# KiCad board popstar_plateless_with_flex_cuts.kicad_pcb (continued)
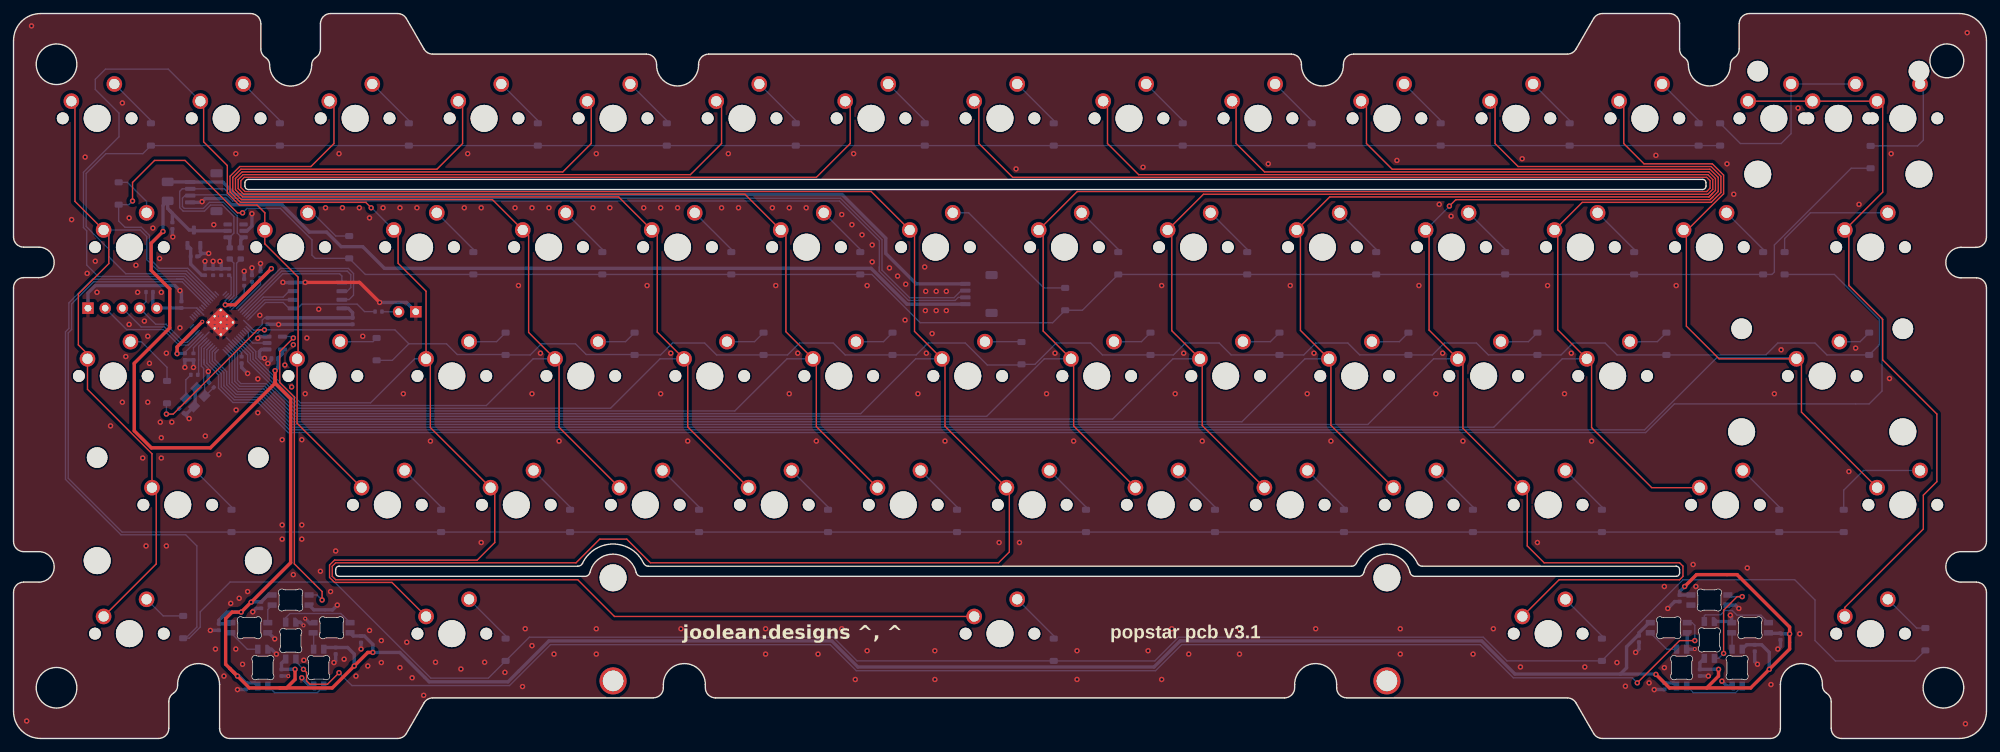
[diagram p0: board, top side]
## Routing (per net, layer and track width the routed paths; a pad name or vN(x,y) marks a point on that pad's centre or on a via; arc(x,y) is an arc through that point)
5V: length 471.4
  Top w0.5: 39.33,7.48 40.33,7.48 41.58,8.73 v1(41.58,10.23) ; 39.33,7.48 47.08,7.48 v1(50.33,10.73) 52.33,12.73 v1(53.08,12.73) ; 39.33,7.48 34.83,7.48 v1(33.08,9.23) ; 31.95,10.35 v1(33.08,9.23) ; 31.95,10.35 v1(33.08,9.23) ; 31.95,10.35 31.33,10.98 31.33,17.73 32.28,18.68 v1(33.62,18.68) v1(35.1,20.15) 40.93,25.99 40.93,50.25 38.63,52.55 38.63,53.48 ; v1(242.58,9.48) 244.58,7.48 250.08,7.48 ; 250.08,7.48 256.58,7.48 v1(259.33,10.23) 262.33,13.23 v1(262.33,15.48) 262.33,16.48 254.58,24.23 248.58,24.23 v1(246.83,22.48) ; 250.08,7.48 251.83,9.23 v1(251.83,10.23) ; v1(38.63,54.39) 38.63,53.48 ; 38.63,53.48 38.63,52.53 29.08,42.98 20.35,42.98 17.83,45.5 17.83,55.48 23.08,60.73 23.08,66.48 20.33,69.23 20.33,73.23 v1(22.08,74.98)
  Bottom w0.5: v1(50.33,10.73) 50.33,12.48 49.35,13.46 C22.1 46.08,13.46 D4.1 ; v1(259.33,10.23) 259.33,12.73 258.2,13.86 C27.1 255.98,13.86 D9.1 ; U5.5 39.71,56.88 C18.1 39.06,54.82 v1(38.63,54.39) ; D11.1 249.08,11.2 C29.1 249.1,10.23 v1(251.83,10.23) ; D6.1 39.58,11.13 C24.1 39.6,10.23 v1(41.58,10.23) ; 237.33,9.53 242.53,9.53 v1(242.58,9.48) 243.83,8.23 C26.1 245.17,8.21 D8.1 ; 237.33,9.53 238.24,10.44 238.24,13.56 239.89,15.21 C25.1 240.08,15.62 241.58,17.13 241.75,17.13 ; 237.33,9.53 221.75,9.53 216.85,14.43 172.3,14.43 168.45,10.57 124.7,10.57 120.85,14.43 79.08,14.43 73.03,8.38 61.4,8.38 57.05,12.73 v1(53.08,12.73) 53.08,13.91 51.83,15.16 C23.1 50.17,15.16 D5.1 ; D1.1 37.6,21.23 C19.1 35.15,20.21 v1(35.1,20.15) ; v1(262.33,15.48) 261.06,15.48 C28.1 259.27,15.56 D10.1 ; U3.5 26.76,75.06 U2.3 25.94,75.18 23.11,78.01 ; 23.11,78.01 23.46,77.67 C15.1 ; 23.11,78.01 22.76,78.37 F1.2 22.08,78.82 v1(22.08,74.98) ; v1(33.08,9.23) 33.31,9.23 C21.1 35.62,8.21 D3.1 ; 247.75,21.23 247.73,21.21 C30.1 246.08,21.73 v1(246.83,22.48) ; v1(33.62,18.68) 31.53,18.68 30.33,17.48 C20.1 31.93,16.96 D2.1
+1V1: length 32.7
  Top w0.5: v1(24.16,56.9) 24.16,57.91 v2(27.88,61.63) ; v1(31.28,64.13) 32.73,64.13 v1(38.08,69.48)
  Bottom w0.2: U6.50 36.48,67.13 C1.1 ; U6.23 25.3,57.08 C3.1 ; C2.1 32.14,68.2 32.14,65.62 U6.45 31.28,64.75 v1(31.28,64.13)
  Bottom w0.5: C1.1 36.71,68.11 v1(38.08,69.48) ; v1(24.16,56.9) 24.2,56.94 C3.1
+3V3: length 54
  Bottom w0.2: 28.86,60.08 U6.22 26.57,57.79 C9.1 ; C5.1 37.09,62.21 36.73,61.86 36.73,61.22 35.87,60.36 35.46,60.36 U6.1 34,61.83 ; 31.95,63.73 U6.48 34.07,65.85 C11.1 ; C12.1 33.69,57.04 U6.10 31.48,59.25 ; C7.1 35.21,66.42 U6.49 32.21,63.42 ; C8.1 27.07,63.66 U6.33 ; U6.33 28.11,62.62 ; U6.33 27.09,63.64
  Bottom w0.5: R1.1 20.58,66 20.58,64.21 J2.5 21.18,63.66 C8.1 ; U4.8 49.45,63.6 50.08,62.98 C17.1 50.07,62.21 C5.1 ; C4.1 27.81,68.5 26.16,70.14 C16.1 26.16,72.44 U2.2
GND: length 279.2
  Top w0.5: v1(54.08,64.48) 51.11,67.44 v1(43.08,67.44)
  Top w0.6: U6.57 U6.57 ; U6.57 U6.57 ; U6.57 U6.57 ; U6.57 U6.57 ; U6.57 U6.57 ; U6.57 U6.57 ; U6.57 U6.57 ; U6.57 U6.57 ; U6.57 U6.57 ; U6.57 U6.57 ; U6.57 U6.57 ; U6.57 U6.57 ; U6.57 U6.57 ; U6.57 U6.57 ; U6.57 U6.57 ; U6.57 U6.57
  Bottom w0.2: 39.12,61.25 v1(39.15,61.22) ; v1(28.77,54.27) 28.77,54.69 28.14,55.33 28.14,55.98 ; 28.14,55.98 28.14,57.65 U6.19 ; 28.14,55.98 28.14,55.52 ; 28.86,52.63 C13.1 ; 248.3,13.2 v2(248.33,13.23)
  Bottom w0.5: v2(40.58,9.23) 40.56,9.25 C24.2 ; v1(29.08,15.98) 29.1,16 C20.2 ; D3.4 38.1,13.2 v1(38.83,12.48) ; v1(43.08,67.44) 43.05,67.41 U4.4 39.81,67.41 v1(39.78,67.44) ; C25.2 240.08,13.23 v1(239.58,12.73) ; v1(39.15,61.22) 50.05,61.22 C17.2 ; v2(43.08,17.73) 43.68,17.13 D5.4 ; v1(250.33,9.23) 250.31,9.25 C29.2 ; C12.2 33.69,54.86 v1(34.58,53.98) ; v1(47.83,19.73) 47.13,19.03 44.35,19.03 43.65,19.73 ; v1(242.33,7.23) 242.35,7.25 C26.2 ; 27.83,71.73 27.59,71.96 U2.1 ; 27.83,71.73 v1(28.83,71.73) ; 27.83,71.73 27.38,71.28 C16.2 ; 248.3,13.2 D8.4 247.2,13.28 D7.4 ; C23.2 v1(51.33,13.23) ; v1(28.77,54.27) 28.77,52.72 C13.1 ; C30.2 245.35,20.25 v1(244.33,19.23) ; C18.2 38.1,56 v1(37.56,55.46) ; Y1.2 26.82,51.67 26.82,49.26 Y1.4 25.66,48.1 C14.1 v1(25.94,47.3) ; C5.2 39.12,61.25 ; v1(28.28,70.56) C4.2 C6.2 ; v1(37.08,56.23) 36.58,56.23 36.33,56.48 36.33,57.23 36.63,57.53 U5.1 ; J1.4 27.74,79.28 v1(27.84,79.38) 28.3,79.84 31.24,79.84 32.14,78.93 39.65,78.93 43.69,74.88 46.23,74.88 48.39,72.73 51.58,72.73 54.78,69.52 126.66,69.52 131.95,64.23 J2#2.4 ; U5.3 36.33,59.43 v1(36.08,59.17) ; C1.2 v1(36.48,70.24) ; v1(25.3,54.87) C3.2 C9.2 v1(26.57,54.87) ; D9.4 253.05,7.75 v1(252.33,8.48) ; D11.4 253.58,17.3 253.75,17.13 253.75,18.05 v1(253.58,18.23) ; D6.4 42.35,17.2 v2(42.83,16.73) ; v1(35.33,18.73) 35.85,19.25 C19.2 ; C21.2 33.1,7.25 v1(33.08,7.23) ; v1(42.58,8.98) 43.8,7.75 D4.4 ; C10.2 30.68,70.36 v1(30.48,70.56) ; C10.2 C6.2 ; C10.2 C2.2 ; v1(254.83,19.23) 254.33,19.73 D12.4 ; v1(38.58,14.73) 37.68,15.63 D2.4 ; v1(35.21,77.6) 35.21,75.78 34.5,75.06 U3.2 ; C6.2 v1(29.48,70.56) ; C8.2 24.8,66 v1(24.58,66.23) 23.83,66.98 12.08,66.98 11,65.9 J2.1 ; v1(47.33,11.23) 47.58,11.48 C22.2 ; C15.2 23.46,74.24 v1(23.53,74.17) ; v1(260.58,13.23) 260.98,13.63 C28.2 ; v1(257.58,10.98) 257.18,11.38 C27.2 ; C11.2 v1(34.07,69.09) ; C7.2 v1(35.21,69.6) ; SW1.1 58.04,64.48 v1(54.08,64.48)
  vias: v1(1.94,2.59) v1(2.66,105.37) v1(8.58,76.73) v1(10.58,85.98) v1(10.88,68.78) v1(12.08,70.58) v1(12.33,65.98) v1(14.33,46.23) v1(16.08,93.98) v1(16.08,49.73) v1(16.58,56.48) v1(17.08,76.98) v1(17.08,61.23) v1(18.08,69.98) v1(18.33,65.98) v1(19.08,41.48) v1(19.33,61.73) v1(19.58,28.48) v1(19.83,59.48) v1(19.83,49.73) v1(20.08,55.48) v1(20.58,75.48) v1(21.58,70.98) v1(21.68,46.78) v1(21.83,65.98) v1(21.83,44.48) v1(21.83,41.48) v1(22.58,56.98) v1(22.58,28.48) v1(23.38,46.78) v1(24.58,60.73) v1(28.33,44.73) v1(29.58,75.98) v1(29.83,13.23) v1(30.33,41.98) v1(31.08,9.23) v1(32.08,19.98) v1(32.83,86.48) v1(32.88,48.58) v1(32.83,13.23) v1(33.33,20.73) v1(33.83,10.98) v1(34.58,21.73) v1(36.08,53.18) v1(36.08,48.18) v1(36.38,62.58) v1(39.68,44.18) v1(39.68,31.58) v1(39.68,29.48) v1(40.08,55.23) v1(41.08,51.98) v1(41.33,58.23) v1(41.33,24.23) v1(42.58,44.18) v1(42.58,31.58) v1(42.58,29.48) v1(42.88,11.58) v1(43.08,50.98) v1(43.33,59.23) v1(45.08,63.48) v1(45.33,24.73) v1(46.08,78.48) v1(46.83,21.73) v1(47.58,27.73) v1(48.08,86.48) v1(48.58,78.48) v1(48.83,11.73) v1(50.58,9.23) v1(51.08,78.48) v1(51.58,59.48) v1(52.33,10.73) v1(52.58,76.98) v1(52.58,15.98) v1(54.33,14.48) v1(54.33,11.23) v1(54.58,78.48) v1(57.08,78.48) v1(57.08,10.48) v1(57.58,50.98) v1(58.08,14.23) v1(58.88,8.98) v1(59.58,78.48) v1(60.58,6.38) v1(61.58,43.98) v1(62.33,11.28) v1(66.08,10.28) v1(66.58,78.48) v1(67.08,86.48) v1(69.08,78.48) v1(69.08,28.98) v1(69.58,11.28) v1(72.58,9.78) v1(74.08,78.48) v1(74.58,66.98) v1(75.18,7.68) v1(75.58,16.23) v1(76.58,78.48) v1(76.58,50.98) v1(76.58,13.73) v1(77.83,56.98) v1(79.08,78.48) v1(79.83,12.48) v1(80.58,43.98) v1(85.58,78.48) v1(86.08,86.48) v1(86.08,16.23) v1(86.08,12.48) v1(88.08,78.48) v1(93.08,78.48) v1(93.58,66.98) v1(95.58,78.48) v1(95.58,50.98) v1(97.08,56.98) v1(98.08,78.48) v1(98.58,16.23) v1(99.58,43.98) v1(104.58,78.48) v1(105.58,86.48) v1(107.08,78.48) v1(111.08,16.23) v1(111.08,12.48) v1(112.08,78.48) v1(112.58,66.98) v1(114.58,78.48) v1(114.58,50.98) v1(115.83,56.98) v1(117.08,78.48) v1(118.58,43.98) v1(118.83,12.48) v1(122.33,77.48) v1(122.33,16.23) v1(123.83,75.98) v1(124.08,86.48) v1(124.33,8.73) v1(125.33,74.48) v1(126.08,66.98) v1(126.08,12.98) v1(126.83,72.98) v1(126.83,70.48) v1(129.38,69.58) v1(130.58,68.38) v1(131.68,61.88) v1(131.78,67.18) v1(133.58,50.98) v1(134.58,69.73) v1(134.68,63.28) v1(134.73,66.13) v1(134.83,56.98) v1(135.68,59.88) v1(136.08,12.98) v1(136.08,8.73) v1(136.28,66.13) v1(136.28,63.28) v1(137.58,43.98) v1(137.78,66.13) v1(137.78,63.28) v1(145.58,28.98) v1(148.08,84.23) v1(148.58,28.98) v1(152.58,50.98) v1(153.83,56.98) v1(156.58,43.98) v1(157.08,12.98) v1(157.08,8.73) v1(166.83,84.48) v1(167.58,12.98) v1(169.58,66.98) v1(169.58,8.73) v1(171.08,16.23) v1(171.58,50.98) v1(172.83,56.98) v1(173.58,12.48) v1(175.58,43.98) v1(181.08,16.23) v1(181.08,12.48) v1(185.33,84.98) v1(188.58,66.98) v1(191.08,50.98) v1(192.08,56.98) v1(192.33,16.23) v1(194.58,43.98) v1(204.33,85.48) v1(204.83,16.23) v1(204.83,12.48) v1(207.58,66.98) v1(210.08,50.98) v1(210.58,78.98) v1(211.08,56.98) v1(212.33,77.23) v1(214.08,43.98) v1(215.58,12.48) v1(218.58,16.23) v1(222.58,10.58) v1(222.83,85.73) v1(225.08,28.98) v1(226.58,66.98) v1(229.08,50.98) v1(230.08,56.98) v1(232.08,10.58) v1(233.08,43.98) v1(236.83,11.23) v1(238.08,7.73) v1(241.58,8.23) v1(242.58,86.23) v1(243.83,22.48) v1(243.83,10.48) v1(245.58,66.98) v1(248.08,25.73) v1(248.48,22.48) v1(253.08,84.98) v1(254.08,80.48) v1(256.08,25.23) v1(259.58,7.98) v1(260.08,50.98) v1(261.08,57.48) v1(263.58,93.23) v1(263.83,15.48) v1(271.08,39.48) v1(272.08,57.73) v1(272.58,78.98) v1(277.08,53.23) v1(277.33,86.48) v1(288.3,2.18) v1(288.56,104.37)
VBUS: length 125.4
  Bottom w0.5: J2#2.1 133.33,67.23 128.83,71.73 128.83,73.98 122.37,80.43 32.76,80.43 30.92,82.28 J1.1 26.07,82.31 F1.1
/D_+: length 6.7
  Bottom w0.2: R2.2 32.94,70.28 32.94,65.29 U6.47
/D_-: length 6.4
  Bottom w0.2: U6.46 32.54,65.45 32.54,70.29 R3.2
/XTAL_O: length 5.7
  Bottom w0.2: R4.1 25.45,53.04 Y1.1 25.45,49.77 C14.2
/~{USB_BOOT}: length 2.5
  Bottom w0.2: SW1.2 54.44,63.1 R5.1
ARGB_3V3: length 4.4
  Bottom w0.2: U5.2 35.33,58.48 34.69,59.11 34.69,60 U6.3
ARGB_5V: length 46.1
  Top w0.2: v1(45.58,20.48) 45.58,21.73 41.48,25.82 41.48,50.48 39.33,52.63 39.33,57.23 v1(41.33,59.23)
  Bottom w0.2: v1(41.33,59.23) 41.13,59.43 U5.4 ; 43.65,21.23 44.83,21.23 v1(45.58,20.48)
COL00: length 110.6
  Top w0.2: SW2.1 9.08,93.71 9.08,79.42 14.08,74.42 14.08,70.23 9.58,65.73 9.58,58.2 10.92,56.85 SW30.1 10.92,51.63 20.45,42.1 SW43.1 21.08,36.46 21.08,25.81 13.3,18.04
  Bottom w0.2: 13.3,75.19 18.71,75.19 19.68,74.22 19.68,70.81 21.36,69.13 25.56,69.13 U6.40
COL01: length 138.4
  Top w0.2: SW44.1 41.88,46.62 SW31.1 42.03,56.29 42.03,68.24 37.12,73.15 37.12,77.74 35.98,78.88 33.35,78.88 31.58,80.65 31.58,84.73 28.08,88.23 28.08,93.76 SW3.1
  Bottom w0.2: U6.38 25.23,68.33 12.49,68.33 10.81,70 10.81,75.07 10.33,75.55 10.33,83.73 15.58,88.98 15.58,92.48 12.08,95.98 12.08,97.48 13.58,98.98 22.86,98.98 SW3.1
COL02: length 184.2
  Top w0.2: 60.93,18.04 55.89,23.08 47.41,23.08 46.68,23.81 46.68,25.64 47.41,26.38 68.48,26.38 71.08,28.98 71.08,36.48 70.46,37.09 SW45.1 61.56,45.98 61.56,55.51 SW32.1 60.93,66.14 56.8,70.27 56.8,74.56 56.17,75.19 ; v1(52.83,78.48) 52.03,79.28 33.51,79.28 31.98,80.81 31.98,83.14 33.41,84.58 43.93,84.58 47.33,87.98 47.33,93.56 SW4.1
  Bottom w0.2: SW32.1 59.24,56.14 52.73,49.63 42.39,49.63 35.78,56.25 35.78,57.22 U6.6 ; v1(52.83,78.48) 52.88,78.48 56.17,75.19
COL03: length 188.2
  Top w0.2: SW5.1 66.33,93.61 66.33,87.98 62.53,84.18 33.58,84.18 32.38,82.97 32.38,80.98 33.68,79.68 70.73,79.68 76.08,74.33 76.08,60.04 SW33.1 80.58,55.54 80.58,46.02 SW46.1
  Bottom w0.2: SW33.1 76.74,56.14 69.83,49.23 42.23,49.23 35.38,56.08 35.38,57.05 U6.7
COL04: length 244.8
  Top w0.2: SW6.1 85.33,93.66 85.33,87.98 81.13,83.78 33.74,83.78 32.78,82.81 32.78,81.14 33.84,80.08 89.38,80.08 95.08,74.38 95.08,60.09 SW34.1 99.58,55.59 99.58,46.07 SW47.1
  Bottom w0.2: U6.8 34.98,56.89 34.98,55.92 42.06,48.83 88.18,48.83 95.49,56.14 SW34.1
COL05: length 302.2
  Top w0.2: SW48.1 118.58,46.12 118.58,55.64 SW35.1 114.08,60.14 114.08,74.43 108.03,80.48 34.01,80.48 33.18,81.31 33.18,82.64 33.91,83.38 99.98,83.38 104.58,87.98 104.58,93.46 SW7.1
  Bottom w0.2: 34.2,57.1 34.58,56.72 ; 34.2,57.1 U6.9 ; 34.2,57.1 34.58,56.72 ; 34.58,56.72 34.58,55.75 41.89,48.43 106.53,48.43 114.24,56.14 SW35.1
COL06: length 572.5
  Top w0.2: SW8.1 123.58,93.51 123.58,87.98 118.58,82.98 34.08,82.98 33.58,82.48 33.58,81.48 34.18,80.88 126.68,80.88 133.08,74.48 133.08,60.19 SW36.1 137.58,55.69 137.58,46.17 SW49.1 147.08,36.67 147.08,27.58 145.48,25.98 94.08,25.98 90.58,29.48 86.58,29.48 83.08,25.98 47.58,25.98 47.08,25.48 47.08,23.98 47.58,23.48 83.33,23.48 88.76,18.04 141.89,18.04
  Bottom w0.2: U6.11 33.08,57.09 33.08,52.98 33.58,52.48 37.28,52.48 41.73,48.03 125.13,48.03 133.24,56.14 SW36.1
COL07: length 398.2
  Top w0.2: SW9.1 142.58,93.56 142.58,87.98 147.58,82.98 250.08,82.98 250.58,82.48 250.58,81.38 250.08,80.88 157.1,80.88 151.42,75.19 152.08,74.53 152.08,60.24 SW37.1 156.18,55.87 156.58,55.48 156.58,46.22 SW50.1
  Bottom w0.2: SW37.1 152.24,56.14 143.73,47.63 41.56,47.63 37.12,52.08 33.41,52.08 32.68,52.81 32.68,56.92 U6.12
COL08: length 381.1
  Top w0.2: SW10.1 161.58,93.61 161.58,87.98 166.18,83.38 250.24,83.38 250.98,82.64 250.98,81.21 250.24,80.48 175.75,80.48 170.47,75.19 171.08,74.58 171.08,60.29 SW38.1 ; SW38.1 175.41,56.14 175.58,55.98 ; SW38.1 175.58,55.79 175.58,46.27 SW51.1
  Bottom w0.2: U6.13 32.28,56.76 32.28,52.64 33.24,51.68 36.95,51.68 41.4,47.23 162.33,47.23 171.24,56.14 SW38.1
COL09: length 363.9
  Top w0.2: SW52.1 194.58,46.32 194.58,55.84 SW39.1 190.08,60.34 190.08,74.63 189.52,75.19 194.4,80.08 250.41,80.08 ; 250.41,80.08 250.94,80.61 ; 250.41,80.08 250.94,80.61 ; 250.94,80.61 251.38,81.04 251.38,82.81 250.41,83.78 184.78,83.78 180.58,87.98 180.58,93.66 SW11.1
  Bottom w0.2: U6.14 31.88,56.59 31.88,52.48 33.08,51.28 36.79,51.28 41.23,46.83 181.43,46.83 190.74,56.14 SW39.1
COL10: length 407.8
  Top w0.2: SW12.1 199.83,93.46 199.83,87.98 203.63,84.18 250.57,84.18 251.78,82.97 251.78,80.88 250.97,80.08 ; 250.57,79.68 213.03,79.68 v1(212.08,78.73) ; 250.57,79.68 250.97,80.08 ; 250.57,79.68 250.97,80.08 ; 222.85,18.04 228.29,23.48 246.08,23.48 246.58,23.98 246.58,25.48 246.08,25.98 226.08,25.98 223.58,28.48 223.58,36.37 SW53.1 214.08,45.87 214.08,55.39 SW40.1 209.08,60.39 209.08,74.68 208.57,75.19
  Bottom w0.2: 208.57,75.19 212.08,78.7 v1(212.08,78.73) ; SW40.1 209.74,56.14 200.03,46.43 41.07,46.43 36.62,50.88 32.91,50.88 31.48,52.31 31.48,54.25 29.75,55.98 29.75,57.01 U6.15
COL11: length 336.6
  Top w0.2: SW13.1 218.83,93.51 218.83,87.98 222.23,84.58 250.74,84.58 252.18,83.14 252.18,80.71 250.74,79.28 231.7,79.28 227.62,75.19 228.08,74.73 228.08,60.44 SW41.1 233.08,55.44 233.08,45.98 241.96,37.09 SW54.1
  Bottom w0.2: U6.16 29.35,57.17 29.35,55.81 31.08,54.09 31.08,52.15 32.75,50.48 36.46,50.48 40.9,46.03 218.63,46.03 228.74,56.14 SW41.1
COL12: length 337.3
  Top w0.2: SW55.1 264.08,48.26 264.08,55.4 SW42.1 251.91,56.14 247.08,60.98 247.08,74.78 246.67,75.19 247.22,75.19 252.58,80.55 252.58,83.3 250.9,84.98 240.83,84.98 237.83,87.98 237.83,93.56 SW14.1
  Bottom w0.2: SW42.1 263.16,56.31 251.58,56.31 240.89,45.63 40.73,45.63 36.29,50.08 32.58,50.08 30.68,51.98 30.68,53.92 28.95,55.64 28.95,57.34 U6.17
COL13: length 394.1
  Top w0.2: SW16.1 SW15.1 SW61.1 276.08,93.41 276.08,80.79 270.48,75.19 271.08,74.59 271.08,66.98 276.08,61.98 276.08,55.98 284.08,47.98 284.08,37.98 282.08,35.98 282.08,30.98 270.48,19.38 270.48,18.04
  Bottom w0.2: 270.48,75.19 271.08,74.59 271.08,67.04 275.98,62.14 275.98,51.38 274.08,49.48 245.3,49.48 241.06,45.23 40.57,45.23 36.12,49.68 ; 35.58,49.68 36.12,49.68 ; 35.58,49.68 32.42,49.68 30.28,51.82 30.28,53.76 28.55,55.48 28.55,57.51 U6.18 ; 35.58,49.68 36.12,49.68
CS: length 20.6
  Bottom w0.2: U6.56 37.22,64.47 39.83,64.47 40.7,63.6 U4.1 41.95,63.6 42.58,64.23 50.75,64.23 51.85,63.13 R5.2
D_N: length 143
  Bottom w0.2: J2#2.2 139.96,66.23 138.91,65.18 132.35,65.18 128.28,69.25 128.28,73.75 122.14,79.88 32.54,79.88 31.14,81.28 J1.2 24.92,81.28 24.54,80.91 24.54,78.49 25.05,77.98 28.2,77.98 29.1,78.88 30.85,78.88 32.55,77.18 32.55,74.73 31.93,74.11 U3.4
  Bottom w0.5: R3.1 31.94,73.8 U3.4
D_P: length 141.9
  Bottom w0.2: 127.88,69.73 127.88,69.08 ; 127.88,69.73 127.88,69.08 ; 127.88,69.73 127.88,73.58 121.98,79.48 32.37,79.48 31.47,80.39 26.21,80.39 J1.3 25.33,80.28 24.94,79.89 24.94,78.66 25.22,78.38 28.04,78.38 28.93,79.28 31.02,79.28 33.05,77.25 33.05,74.73 33.66,74.11 U3.3 ; 127.88,69.08 132.18,64.78 139.08,64.78 139.53,65.23 J2#2.3
  Bottom w0.5: R2.1 33.56,73.7 U3.3
QSPI_CLK: length 22.2
  Bottom w0.2: U4.6 49.28,66.14 49.82,66.68 49.82,68.59 49.29,69.11 39.6,69.11 U6.52
ROW0: length 274.4
  Bottom w0.2: U6.39 25.4,68.73 16.58,68.73 14.08,71.23 14.08,72.37 10.73,75.72 10.73,83.56 13.64,86.48 19.09,86.48 D13.1 D14.1 D15.1 D16.1 D17.1 D18.1 D19.1 D20.1 D21.1 D22.1 D23.1 D24.1 D25.1 D26.1
ROW1: length 309.9
  Top w0.2: v1(17.58,79.48) 17.58,82.23 20.83,85.48 25.33,85.48 33.08,77.73 v1(33.83,77.73)
  Bottom w0.2: v1(33.83,77.73) 34.48,78.38 39.42,78.38 44.08,73.73 44.08,71.48 44.55,71 D28.1 51.96,68.62 D29.1 D30.1 D31.1 D32.1 126.78,68.62 133.93,61.48 153.48,61.48 D33.1 157.87,63.33 D34.1 D35.1 D36.1 D37.1 D38.1 D39.1 259.72,68.62 260.08,68.98 260.08,72.98 271.43,84.33 D71.1 ; U6.41 25.73,69.53 21.53,69.53 20.08,70.98 20.08,74.39 18.87,75.59 16.46,75.59 15.53,76.53 D27.1 17.04,78.94 v1(17.58,79.48)
ROW2: length 306.9
  Top w0.2: v1(22.58,47.98) 23.59,47.98 36.03,60.42 v1(37.05,60.42)
  Bottom w0.2: D40.1 22.58,49.48 v1(22.58,47.98) ; 36.07,59.99 36.5,60.42 v1(37.05,60.42) 56.33,60.42 58.39,58.36 ; 36.07,59.99 36.04,59.96 ; 36.07,59.99 36.04,59.96 ; 58.39,58.36 63.94,58.36 65.53,56.78 72.61,56.78 D42.1 76.31,56.71 77.96,58.36 82.99,58.36 84.58,56.78 91.66,56.78 D43.1 95.56,56.71 97.33,58.48 102.08,58.48 103.84,56.71 D44.1 114.31,56.71 116.08,58.48 121.08,58.48 122.84,56.71 D45.1 133.31,56.71 135.08,58.48 140.58,58.48 143.83,55.23 148.78,55.23 D46.1 150.86,55.33 154.01,58.48 159.08,58.48 160.84,56.71 D47.1 171.31,56.71 173.08,58.48 178.08,58.48 179.84,56.71 D48.1 190.56,56.71 192.33,58.48 197.08,58.48 198.83,56.73 206.01,56.73 D49.1 209.56,56.71 211.33,58.48 216.08,58.48 217.83,56.73 225.06,56.73 D50.1 228.56,56.71 230.33,58.48 235.08,58.48 236.84,56.71 D51.1 258.81,56.71 260.58,58.48 266.08,58.48 267.84,56.71 D52.1 275.58,58.21 275.58,61.98 268.93,68.62 D72.1 ; 58.39,58.36 55.94,55.92 D41.1 ; 36.04,59.96 35.3,59.96 U6.2
ROW3: length 314
  Bottom w0.2: U6.36 24.9,67.53 11.85,67.53 8.58,64.25 8.58,60.48 8.08,59.98 8.08,38.48 16.03,30.52 D53.1 D54.1 D55.1 D56.1 D57.1 D58.1 D59.1 D60.1 D61.1 D62.1 D63.1 D64.1 D65.1
ROW4: length 377.8
  Bottom w0.2: U6.37 25.07,67.93 ; 25.07,67.93 24.08,67.93 ; 25.07,67.93 24.08,67.93 ; 24.08,67.93 11.68,67.93 8.18,64.42 8.18,60.64 7.68,60.14 7.68,38.31 15.87,30.12 25.43,30.12 27.08,28.48 27.08,16.48 25.43,14.83 D66.1 25.93,14.83 27.58,16.48 27.58,18.73 31.98,23.13 47.42,23.13 61.63,8.93 70.13,8.93 D67.1 76.18,14.98 121.08,14.98 124.58,11.48 153.63,11.48 D68.1 168.57,11.47 172.08,14.98 217.08,14.98 220.58,11.48 234.59,11.48 D69.1 234.6,11.5 246.58,23.48 263.08,23.48 266.08,20.48 266.08,14.48 269.08,11.47 280.82,11.47 D70.1
SD0: length 18
  Bottom w0.2: U6.53 39.76,68.71 48.16,68.71 48.49,68.38 U4.5
SD1: length 7.7
  Bottom w0.2: U4.2 37.05,64.87 U6.55
SD2: length 8.4
  Bottom w0.2: U6.54 36.89,65.27 39.83,65.27 40.7,66.14 U4.3
SD3: length 24.7
  Bottom w0.2: U4.7 48.53,64.9 49.56,64.9 50.22,65.56 50.22,68.75 49.45,69.51 39.43,69.51 U6.51
SWCLK: length 16.9
  Bottom w0.2: J2.2 16.71,60.46 22.13,60.46 24.42,58.17 25.83,58.17 U6.24
SWD: length 13.8
  Bottom w0.2: J2.3 18.85,60.86 22.29,60.86 24.58,58.57 25.66,58.57 U6.25
XTAL_IN: length 10.5
  Bottom w0.2: C13.2 28.32,50.65 Y1.3 28.22,50.67 28.22,52.38 28.08,52.53 28.08,54.73 27.74,55.06 27.74,57.82 U6.20
XTAL_OUT: length 5.6
  Bottom w0.2: U6.21 27.34,57.98 27.34,55.98 27.33,55.97 27.33,53.9 R4.2
~{RESET}: length 13.6
  Bottom w0.2: U6.26 25.5,58.97 24.8,58.97 22.51,61.26 20.99,61.26 J2.4 19.57,64.58 R1.2
Net-(D1-DOUT): length 2.9
  Bottom w0.2: D2.3 37.55,19.08 D1.2
Net-(D2-DOUT): length 5
  Bottom w0.2: D3.3 34.53,13.2 D2.2
Net-(D3-DOUT): length 9.1
  Bottom w0.2: D4.3 44.85,6.78 38.55,6.78 D3.2
Net-(D4-DOUT): length 2.5
  Bottom w0.2: D5.3 44.33,15.55 D4.2
Net-(D5-DOUT): length 11
  Bottom w0.2: D6.3 40.2,17.85 40.83,18.48 48.33,18.48 48.68,18.12 48.71,18.12 D5.2
Net-(D6-DOUT): length 224.8
  Top w0.2: v1(42.83,10.23) 43.28,9.78 43.28,8.53 43.78,8.03 46.38,8.03 v1(48.08,9.73) ; v1(248.33,14.48) 246.08,14.48 v1(239.83,8.23)
  Bottom w0.2: v1(48.08,9.73) 49.98,7.83 73.25,7.83 79.3,13.88 120.62,13.88 124.48,10.02 168.67,10.02 172.53,13.88 216.62,13.88 221.52,8.98 239.08,8.98 v1(239.83,8.23) ; D7.3 247.93,17.13 248.33,16.73 v1(248.33,14.48) ; D6.2 41.7,11.35 v1(42.83,10.23)
Net-(D7-DOUT): length 4.9
  Bottom w0.2: 241.75,15.63 244.18,13.2 D8.3
Net-(D8-DOUT): length 9
  Bottom w0.2: D9.3 254.35,6.78 248.1,6.78 D8.2
Net-(D10-DIN): length 2.5
  Bottom w0.2: 253.75,15.63 253.83,15.55 D9.2
Net-(D10-DOUT): length 11.4
  Bottom w0.2: D10.2 258.09,18.24 254.55,18.24 253.87,18.93 252.78,18.93 252.13,18.28 249.88,18.28 249.73,18.13 D11.3
Net-(D11-DOUT): length 13.9
  Top w0.2: v1(252.58,12.58) 252.58,18.98 254.58,20.98 v1(255.33,20.98)
  Bottom w0.2: D11.2 251.85,11.85 v1(252.58,12.58) ; v1(255.33,20.98) 253.45,20.98 D12.3
Net-(D13-A): length 8
  Bottom w0.2: D13.2 20.29,91.38 SW2.2
Net-(D14-A): length 8
  Bottom w0.2: SW3.2 39.34,91.38 D14.2
Net-(D15-A): length 8
  Bottom w0.2: D15.2 58.39,91.38 SW4.2
Net-(D16-A): length 8
  Bottom w0.2: D16.2 77.44,91.38 SW5.2
Net-(D17-A): length 8
  Bottom w0.2: D17.2 96.49,91.38 SW6.2
Net-(D18-A): length 8
  Bottom w0.2: SW7.2 115.54,91.38 D18.2
Net-(D19-A): length 8
  Bottom w0.2: D19.2 134.59,91.38 129.19,96.78
Net-(D20-A): length 8
  Bottom w0.2: D20.2 153.64,91.38 SW9.2
Net-(D21-A): length 8
  Bottom w0.2: SW10.2 172.69,91.38 D21.2
Net-(D22-A): length 8
  Bottom w0.2: SW11.2 191.74,91.38 D22.2
Net-(D23-A): length 8
  Bottom w0.2: D23.2 210.79,91.38 SW12.2
Net-(D24-A): length 8
  Bottom w0.2: SW13.2 229.84,91.38 D24.2
Net-(D25-A): length 8
  Bottom w0.2: SW14.2 248.89,91.38 D25.2
Net-(D26-A): length 29.2
  Bottom w0.2: D26.2 255.06,87.98 261.08,87.98 262.54,89.44 262.54,96.78 SW15.2
Net-(D27-A): length 7
  Bottom w0.2: D27.2 16.81,82.24 19.65,79.4 19.65,77.73
Net-(D28-A): length 6.8
  Bottom w0.2: D28.2 47.59,74.3 44.16,77.73
Net-(D29-A): length 8
  Bottom w0.2: D29.2 67.91,72.33 62.52,77.73
Net-(D30-A): length 8
  Bottom w0.2: D30.2 86.96,72.33 81.57,77.73
Net-(D31-A): length 8
  Bottom w0.2: D31.2 106.01,72.33 100.62,77.73
Net-(D32-A): length 8
  Bottom w0.2: 119.67,77.73 125.06,72.33 D32.2
Net-(D33-A): length 21.2
  Bottom w0.2: D33.2 152.18,66.63 141.07,77.73 138.72,77.73
Net-(D34-A): length 8
  Bottom w0.2: 157.77,77.73 163.16,72.33 D34.2
Net-(D35-A): length 8
  Bottom w0.2: 176.82,77.73 182.21,72.33 D35.2
Net-(D36-A): length 8
  Bottom w0.2: D36.2 201.26,72.33 195.87,77.73
Net-(D37-A): length 8
  Bottom w0.2: D37.2 220.31,72.33 214.92,77.73
Net-(D38-A): length 8
  Bottom w0.2: 233.97,77.73 239.36,72.33 D38.2
Net-(D39-A): length 8
  Bottom w0.2: D39.2 258.41,72.33 253.02,77.73
Net-(D40-A): length 9
  Bottom w0.2: SW30.2 18.87,58.68 22.67,54.88 D40.2
Net-(D41-A): length 5.6
  Bottom w0.2: D41.2 53.09,58.68 SW31.2
Net-(D42-A): length 5.9
  Bottom w0.2: SW32.2 71.34,58.68 D42.2
Net-(D43-A): length 5.9
  Bottom w0.2: D43.2 90.39,58.68 SW33.2
Net-(D44-A): length 5.9
  Bottom w0.2: SW34.2 109.44,58.68 D44.2
Net-(D45-A): length 5.9
  Bottom w0.2: SW35.2 128.49,58.68 D45.2
Net-(D46-A): length 5.4
  Bottom w0.2: D46.2 148.82,58.68 SW36.2
Net-(D47-A): length 5.9
  Bottom w0.2: D47.2 166.59,58.68 SW37.2
Net-(D48-A): length 5.9
  Bottom w0.2: D48.2 185.64,58.68 SW38.2
Net-(D49-A): length 5.9
  Bottom w0.2: D49.2 204.69,58.68 SW39.2
Net-(D50-A): length 5.9
  Bottom w0.2: SW40.2 223.74,58.68 D50.2
Net-(D51-A): length 5.9
  Bottom w0.2: D51.2 242.79,58.68 SW41.2
Net-(D52-A): length 4.9
  Bottom w0.2: D52.2 272.74,58.68 SW42.2
Net-(D53-A): length 8
  Bottom w0.2: D53.2 32.19,34.23 SW43.2
Net-(D54-A): length 8
  Bottom w0.2: SW44.2 63.15,34.23 D54.2
Net-(D55-A): length 8
  Bottom w0.2: SW45.2 82.2,34.23 D55.2
Net-(D56-A): length 8
  Bottom w0.2: SW46.2 101.25,34.23 D56.2
Net-(D57-A): length 8
  Bottom w0.2: SW47.2 120.3,34.23 D57.2
Net-(D58-A): length 8
  Bottom w0.2: SW48.2 139.35,34.23 D58.2
Net-(D59-A): length 8
  Bottom w0.2: SW49.2 158.4,34.23 D59.2
Net-(D60-A): length 8
  Bottom w0.2: D60.2 177.45,34.23 SW50.2
Net-(D61-A): length 8
  Bottom w0.2: SW51.2 196.5,34.23 D61.2
Net-(D62-A): length 8
  Bottom w0.2: D62.2 215.55,34.23 SW52.2
Net-(D63-A): length 8
  Bottom w0.2: SW53.2 234.6,34.23 D63.2
Net-(D64-A): length 8
  Bottom w0.2: SW54.2 260.79,34.23 D64.2
Net-(D65-A): length 15.4
  Bottom w0.2: D65.2 270.32,36.72 273.23,39.63 SW55.2
Net-(D66-A): length 6.4
  Bottom w0.2: D66.2 22.11,18.13 SW56.2
Net-(D67-A): length 8
  Bottom w0.2: SW57.2 72.68,15.18 D67.2
Net-(D68-A): length 8
  Bottom w0.2: SW58.2 153.64,15.18 D68.2
Net-(D69-A): length 8
  Bottom w0.2: SW59.2 234.6,15.18 D69.2
Net-(D70-A): length 7.3
  Bottom w0.2: D70.2 281.08,16.33 SW60.2
Net-(D71-A): length 16.6
  Bottom w0.2: D71.2 281.23,87.63 282.08,88.48 282.08,96.3 SW61.2
Net-(D72-A): length 18.8
  Bottom w0.2: D72.2 261.59,73.92 265.4,77.73 276.83,77.73

## Copper pours and planes (outline as drawn; the poured copper is in the pictures)
+1V1 on Bottom: 28.15,61.48 28.1,61.41 28.05,61.37 27.99,61.34 27.93,61.32 27.85,61.32 27.79,61.33 27.74,61.35 27.69,61.38 27.65,61.41 27.62,61.45 27.59,61.5 27.57,61.55 27.56,61.61 27.57,61.69 27.58,61.73 27.61,61.79 27.63,61.82 27.69,61.88 27.72,61.9 27.76,61.92 27.79,61.93 27.83,61.94 27.97,61.94 30.29,64.26 30.35,64.29 30.9,64.29 30.95,64.37 30.98,64.41 31.01,64.44 31.05,64.47 31.1,64.5 31.14,64.52 31.24,64.54 31.34,64.54 31.41,64.52 31.48,64.49 31.55,64.44 31.6,64.39 31.64,64.33 31.67,64.27 31.69,64.18 31.69,64.09 31.68,64.02 31.65,63.95 31.61,63.88 31.54,63.81 31.46,63.76 31.38,63.73 31.32,63.72 31.24,63.72 31.17,63.73 31.1,63.76 31.03,63.8 30.98,63.85 30.93,63.91 30.9,63.97 30.44,63.97 28.18,61.71 28.19,61.64 28.19,61.58 28.18,61.54
+3V3 on Bottom: 26.78,61.58 30.63,57.68 34.48,61.53 31.13,64.93 31.93,65.78 31.63,67.93 31.23,67.93 31.23,68.98 26.98,68.98 28.43,67.23 29.58,66.03 30.38,65.23
GND on Top: -2.85,108.98 -3.7,-3.13 294.11,-2.8 294.44,109.27
GND on Bottom: -2.87,108.97 -3.59,-2.92 293.99,-2.82 294.41,109.11

## Text on the board
B.Silkscreen: $ | 4 | < / , | > / . | : / ; | ? / / | {dblquote} / ' | ~ / ` | ESC | TAB | STEP_CAPS | 1.5U_LCTRL | 2.25U_LSHIFT | Q | A | Z | W | S | 1.5U_LALT | X | E | D | C | R | F | V | T | G | B | Y | H | N | 7U_SPACEBAR | U | J | M | I | K | O | L | P | 1.5U_RALT | [ | } | ] | 1.75U_RSHIFT | 2U_BACK | 2.25U_ENTER | 1.5U_RCTRL | FN | ! / 1 | @ / 2 | # / 3 | % / 5 | ^ / 6 | & / 7 | * / 8 | ( / 9 | ) / 0 | _ / - | { | + / = | 1.5U_BACK / | / \
User.Drawings: D12
F.Silkscreen: joolean.designs ^, ^ | popstar pcb v3.1
User.1: D2 | D3 | D1 | D6 | D4 | D5 | D7 | D8 | D12 | D11 | D9 | D10
